# KiCad board rabbit_mask_video_edit.kicad_pcb (continued)
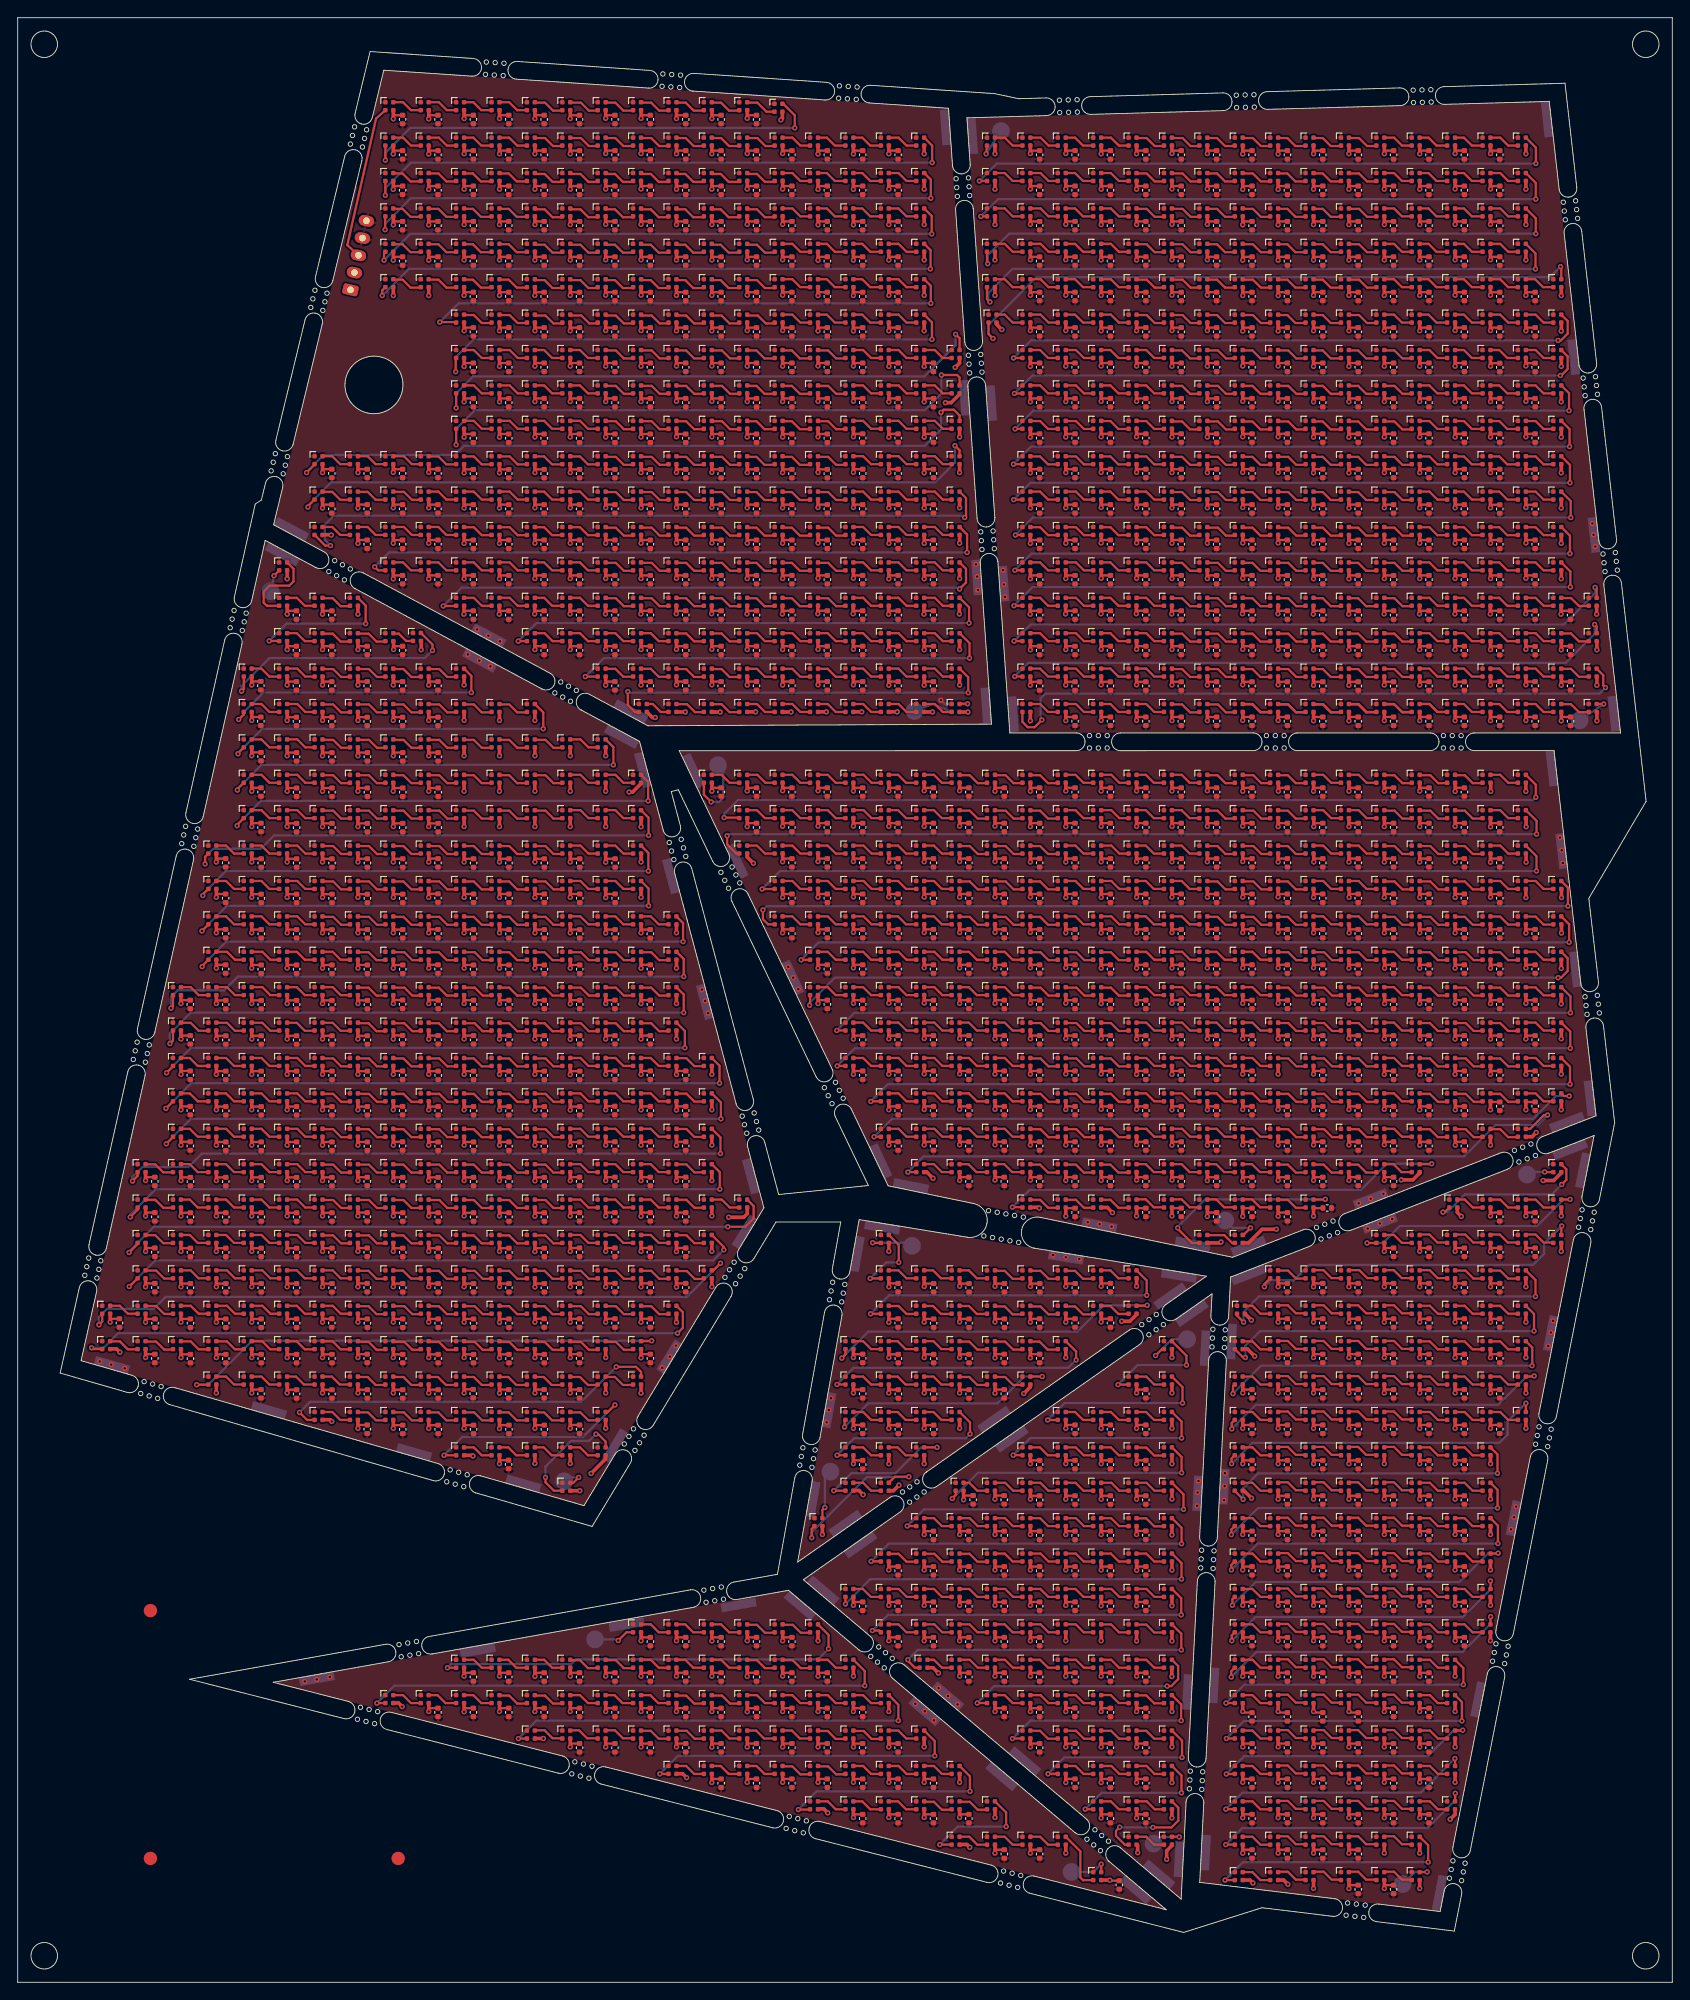
[diagram p0: board, top side]
## Routing (per net, layer and track width the routed paths; a pad name or vN(x,y) marks a point on that pad's centre or on a via; arc(x,y) is an arc through that point) (continued)
Net-(D1036-DOUT): length 3.5
  Top w0.25: 65.6,87.55 64.5,87.55 63.6,88.45 62.5,88.45
Net-(D1037-DOUT): length 3.5
  Top w0.25: D1037.3 67.55,88.45 68.45,87.55 D1038.1
Net-(D1038-DOUT): length 3.5
  Top w0.25: D1039.1 72.45,87.55 71.55,88.45 D1038.3
Net-(D1039-DOUT): length 3.5
  Top w0.25: 74.47,88.43 75.58,88.43 76.47,87.53 77.58,87.53
Net-(D1040-DOUT): length 3.5
  Top w0.25: 81.58,87.55 80.47,87.55 79.58,88.45 78.47,88.45
Net-(D1041-DOUT): length 76.1
  Top w0.25: D1055.1 13.55,83.43 v1(12.6,82.47) ; D1041.3 83.17,87.72 83.17,86.32 82.23,85.38 v1(80.25,85.38)
  Bottom w0.25: v1(12.6,82.47) 12.6,82.6 15.38,85.38 v1(80.25,85.38)
Net-(D1042-DOUT): length 3.5
  Top w0.25: 114.45,88.43 115.55,88.43 116.45,87.53 117.55,87.53
Net-(D1043-DOUT): length 3.5
  Top w0.25: 121.6,87.53 120.5,87.53 119.6,88.43 118.5,88.43
Net-(D1044-DOUT): length 3.5
  Top w0.25: 122.4,88.43 123.5,88.43 124.4,87.53 125.5,87.53
Net-(D1045-DOUT): length 3.5
  Top w0.25: 126.4,88.47 127.5,88.47 128.4,87.57 129.5,87.57
Net-(D1046-DOUT): length 3.5
  Top w0.25: 130.45,88.47 131.55,88.47 132.45,87.57 133.55,87.57
Net-(D1047-DOUT): length 3.5
  Top w0.25: 137.45,87.57 136.35,87.57 135.45,88.47 134.35,88.47
Net-(D1048-DOUT): length 3.5
  Top w0.25: 141.5,87.57 140.4,87.57 139.5,88.47 138.4,88.47
Net-(D1049-DOUT): length 3.5
  Top w0.25: 142.45,88.43 143.55,88.43 144.45,87.53 145.55,87.53
Net-(D1050-DOUT): length 22.7
  Top w0.25: D1050.3 147.76,88.45 v1(147.79,88.48) ; D1073.1 132.7,83.55 131.1,85.15 v1(131.1,85.25)
  Bottom w0.25: v1(147.79,88.48) 134.21,88.48 131.1,85.38 v1(131.1,85.25)
Net-(D1051-DOUT): length 3.2
  Top w0.25: D1052.1 164.45,87.55 163.55,88.45 D1051.3
Net-(D1052-DOUT): length 3.5
  Top w0.25: D1053.1 168.45,87.55 167.55,88.45 D1052.3
Net-(D1053-DOUT): length 3.5
  Top w0.25: D1054.1 172.45,87.55 171.55,88.45 D1053.3
Net-(D1054-DOUT): length 27.1
  Top w0.25: D1054.3 175.43,88.45 v1(175.45,88.47) ; D1075.1 153.54,83.54 v1(152.5,83.54)
  Bottom w0.25: v1(175.45,88.47) 174.73,88.47 171.72,85.46 156.21,85.46 154.29,83.54 v1(152.5,83.54)
Net-(D1055-DOUT): length 3.5
  Top w0.25: 17.55,83.53 16.45,83.53 15.55,84.43 14.45,84.43
Net-(D1056-DOUT): length 3.5
  Top w0.25: 21.45,83.55 20.35,83.55 19.45,84.45 18.35,84.45
Net-(D1057-DOUT): length 3.5
  Top w0.25: D1057.3 23.55,84.45 24.45,83.55 D1058.1
Net-(D1058-DOUT): length 3.5
  Top w0.25: D1058.3 27.55,84.45 28.45,83.55 D1059.1
Net-(D1059-DOUT): length 3.5
  Top w0.25: 33.6,83.55 32.5,83.55 31.6,84.45 30.5,84.45
Net-(D1060-DOUT): length 3.5
  Top w0.25: 37.65,83.5 36.55,83.5 35.65,84.4 34.55,84.4
Net-(D1061-DOUT): length 3.5
  Top w0.25: 41.7,83.5 40.6,83.5 39.7,84.4 38.6,84.4
Net-(D1062-DOUT): length 3.5
  Top w0.25: 45.6,83.5 44.5,83.5 43.6,84.4 42.5,84.4
Net-(D1063-DOUT): length 3.5
  Top w0.25: 46.55,84.4 47.65,84.4 48.55,83.5 49.65,83.5
Net-(D1064-DOUT): length 3.5
  Top w0.25: 50.45,84.4 51.55,84.4 52.45,83.5 53.55,83.5
Net-(D1065-DOUT): length 3.5
  Top w0.25: 54.45,84.4 55.55,84.4 56.45,83.5 57.55,83.5
Net-(D1066-DOUT): length 3.5
  Top w0.25: 58.55,84.4 59.65,84.4 60.55,83.5 61.65,83.5
Net-(D1067-DOUT): length 3.5
  Top w0.25: 65.6,83.55 64.5,83.55 63.6,84.45 62.5,84.45
Net-(D1068-DOUT): length 3.5
  Top w0.25: D1069.1 68.45,83.55 67.55,84.45 D1068.3
Net-(D1069-DOUT): length 3.5
  Top w0.25: D1070.1 72.45,83.55 71.55,84.45 D1069.3
Net-(D1070-DOUT): length 3.5
  Top w0.25: 77.58,83.53 76.47,83.53 75.58,84.43 74.47,84.43
Net-(D1071-DOUT): length 72.5
  Top w0.25: D1071.3 79.8,83.1 v1(79.8,82.78) ; v1(12.6,78.62) 12.62,78.62 D1081.1
  Bottom w0.25: v1(12.6,78.62) 15.55,81.57 78.6,81.57 v1(79.8,82.78)
Net-(D1072-DOUT): length 8.7
  Top w0.25: D1098.1 97.54,79.54 v1(96.35,79.54) ; v1(99.58,81.35) 99.58,83.32 D1072.3
  Bottom w0.25: v1(96.35,79.54) 98.16,81.35 v1(99.58,81.35)
Net-(D1073-DOUT): length 3.5
  Top w0.25: 134.45,84.43 136.38,84.43 137.28,83.53 137.55,83.53
Net-(D1075-DOUT): length 3.5
  Top w0.25: D1075.3 155.55,84.45 156.45,83.55 D1076.1
Net-(D1076-DOUT): length 3.5
  Top w0.25: 161.55,83.6 160.45,83.6 159.55,84.5 158.45,84.5
Net-(D1077-DOUT): length 3.5
  Top w0.25: 165.6,83.6 164.5,83.6 163.6,84.5 162.5,84.5
Net-(D1078-DOUT): length 3.5
  Top w0.25: 166.4,84.5 167.5,84.5 168.4,83.6 169.5,83.6
Net-(D1079-DOUT): length 3.5
  Top w0.25: 170.45,84.5 171.55,84.5 172.45,83.6 173.55,83.6
Net-(D1080-DOUT): length 39.4
  Top w0.25: v1(174.5,85.46) 174.45,85.41 D1080.3 ; D1106.1 140.89,78.89 v1(140.89,78.59)
  Bottom w0.25: v1(140.89,78.59) 141.62,79.32 144.22,79.32 145.98,81.08 171.28,81.08 172.51,82.31 172.51,83.47 v1(174.5,85.46)
Net-(D1081-DOUT): length 3.5
  Top w0.25: 14.55,80.43 15.65,80.43 16.55,79.53 17.65,79.53
Net-(D1082-DOUT): length 3.5
  Top w0.25: D1083.1 20.45,79.55 19.55,80.45 D1082.3
Net-(D1083-DOUT): length 3.5
  Top w0.25: 22.55,80.45 23.65,80.45 24.55,79.55 25.65,79.55
Net-(D1084-DOUT): length 3.5
  Top w0.25: 29.65,79.55 28.55,79.55 27.65,80.45 26.55,80.45
Net-(D1085-DOUT): length 3.5
  Top w0.25: D1085.3 31.55,80.45 32.45,79.55 D1086.1
Net-(D1086-DOUT): length 3.5
  Top w0.25: 34.5,80.45 35.6,80.45 36.5,79.55 37.6,79.55
Net-(D1087-DOUT): length 3.5
  Top w0.25: 38.55,80.4 39.65,80.4 40.55,79.5 41.65,79.5
Net-(D1088-DOUT): length 3.5
  Top w0.25: 42.45,80.43 43.55,80.43 44.45,79.53 45.55,79.53
Net-(D1089-DOUT): length 3.5
  Top w0.25: 46.5,80.4 47.6,80.4 48.5,79.5 49.6,79.5
Net-(D1090-DOUT): length 3.5
  Top w0.25: 53.65,79.5 52.55,79.5 51.65,80.4 50.55,80.4
Net-(D1091-DOUT): length 3.5
  Top w0.25: 57.55,79.5 56.45,79.5 55.55,80.4 54.45,80.4
Net-(D1092-DOUT): length 3.5
  Top w0.25: 58.45,80.4 59.55,80.4 60.45,79.5 61.55,79.5
Net-(D1093-DOUT): length 3.5
  Top w0.25: 62.55,80.4 63.65,80.4 64.55,79.5 65.65,79.5
Net-(D1094-DOUT): length 3.5
  Top w0.25: 69.6,79.5 68.5,79.5 67.6,80.4 66.5,80.4
Net-(D1095-DOUT): length 3.5
  Top w0.25: 70.5,80.4 71.6,80.4 72.5,79.5 73.6,79.5
Net-(D1096-DOUT): length 3.5
  Top w0.25: 74.53,80.38 75.62,80.38 76.53,79.47 77.62,79.47
Net-(D1097-DOUT): length 76.4
  Top w0.25: v1(79.42,81.25) 78.62,80.45 D1097.3 ; D1114.1 9.55,74.68 v1(9.17,74.3)
  Bottom w0.25: v1(79.42,81.25) 75.62,77.45 16.73,77.45 15.38,76.1 10.1,76.1 9.17,75.18 v1(9.17,74.3)
Net-(D1098-DOUT): length 3.5
  Top w0.25: D1098.3 99.55,80.45 100.45,79.55 D1099.1
Net-(D1099-DOUT): length 3.5
  Top w0.25: 102.35,80.45 103.45,80.45 104.35,79.55 105.45,79.55
Net-(D1100-DOUT): length 3.5
  Top w0.25: 106.4,80.45 107.5,80.45 108.4,79.55 109.5,79.55
Net-(D1101-DOUT): length 3.5
  Top w0.25: 110.45,80.4 111.55,80.4 112.45,79.5 113.55,79.5
Net-(D1102-DOUT): length 3.5
  Top w0.25: 117.6,79.5 116.5,79.5 115.6,80.4 114.5,80.4
Net-(D1103-DOUT): length 3.5
  Top w0.25: 121.5,79.5 120.4,79.5 119.5,80.4 118.4,80.4
Net-(D1104-DOUT): length 3.5
  Top w0.25: 125.5,79.55 124.4,79.55 123.5,80.45 122.4,80.45
Net-(D1105-DOUT): length 36.5
  Top w0.25: D1105.3 127.6,79.3 v1(127.6,77.63) ; v1(96.39,75.54) 97.54,75.54 D1131.1
  Bottom w0.25: v1(127.6,77.63) 98.48,77.63 v1(96.39,75.54)
Net-(D1106-DOUT): length 3.5
  Top w0.25: 142.47,80.43 143.57,80.43 144.47,79.53 145.57,79.53
Net-(D1107-DOUT): length 3.5
  Top w0.25: 149.57,79.57 148.47,79.57 147.57,80.47 146.47,80.47
Net-(D1108-DOUT): length 3.5
  Top w0.25: 153.62,79.57 152.53,79.57 151.62,80.47 150.53,80.47
Net-(D1109-DOUT): length 3.5
  Top w0.25: 157.53,79.57 156.43,79.57 155.53,80.47 154.43,80.47
Net-(D1110-DOUT): length 3.5
  Top w0.25: 161.57,79.57 160.47,79.57 159.57,80.47 158.47,80.47
Net-(D1111-DOUT): length 3.5
  Top w0.25: 162.53,80.43 163.62,80.43 164.53,79.53 165.62,79.53
Net-(D1112-DOUT): length 3.5
  Top w0.25: 169.55,79.53 168.45,79.53 167.55,80.43 166.45,80.43
Net-(D1113-DOUT): length 39.5
  Top w0.25: D1113.3 171.54,79.36 v1(171.54,77.5) ; v1(138.55,74.6) 137.8,75.35 D1139.1
  Bottom w0.25: v1(138.55,74.6) 138.55,75.77 140.28,77.5 v1(171.54,77.5)
Net-(D1114-DOUT): length 3.5
  Top w0.25: D1114.3 11.55,76.45 12.45,75.55 D1115.1
Net-(D1115-DOUT): length 3.5
  Top w0.25: 17.65,75.53 16.55,75.53 15.65,76.43 14.55,76.43
Net-(D1116-DOUT): length 3.5
  Top w0.25: D1116.3 19.55,76.45 20.45,75.55 D1117.1
Net-(D1117-DOUT): length 3.5
  Top w0.25: 22.55,76.45 23.65,76.45 24.55,75.55 25.65,75.55
Net-(D1118-DOUT): length 3.5
  Top w0.25: 29.65,75.55 28.55,75.55 27.65,76.45 26.55,76.45
Net-(D1119-DOUT): length 3.5
  Top w0.25: D1120.1 32.45,75.55 31.55,76.45 D1119.3
Net-(D1120-DOUT): length 3.5
  Top w0.25: 34.5,76.45 35.6,76.45 36.5,75.55 37.6,75.55
Net-(D1121-DOUT): length 3.5
  Top w0.25: 41.65,75.5 40.55,75.5 39.65,76.4 38.55,76.4
Net-(D1122-DOUT): length 3.5
  Top w0.25: 45.7,75.5 44.6,75.5 43.7,76.4 42.6,76.4
Net-(D1123-DOUT): length 3.5
  Top w0.25: 46.5,76.4 47.6,76.4 48.5,75.5 49.6,75.5
Net-(D1124-DOUT): length 3.5
  Top w0.25: 53.65,75.5 52.55,75.5 51.65,76.4 50.55,76.4
Net-(D1125-DOUT): length 3.5
  Top w0.25: 54.45,76.4 55.55,76.4 56.45,75.5 57.55,75.5
Net-(D1126-DOUT): length 3.5
  Top w0.25: 58.45,76.4 59.55,76.4 60.45,75.5 61.55,75.5
Net-(D1127-DOUT): length 3.5
  Top w0.25: 65.65,75.5 64.55,75.5 63.65,76.4 62.55,76.4
Net-(D1128-DOUT): length 3.5
  Top w0.25: 66.5,76.4 67.6,76.4 68.5,75.5 69.6,75.5
Net-(D1129-DOUT): length 3.5
  Top w0.25: 70.5,76.4 71.6,76.4 72.5,75.5 73.6,75.5
Net-(D1130-DOUT): length 71.8
  Top w0.25: D1148.1 8.5,71.55 v1(8.35,71.7) ; D1130.3 75.17,75.72 75.17,73.95 v1(74.58,73.35)
  Bottom w0.25: v1(8.35,71.7) 9.7,71.7 11.35,73.35 v1(74.58,73.35)
Net-(D1131-DOUT): length 3.5
  Top w0.25: 101.55,75.53 100.45,75.53 99.55,76.43 98.45,76.43
Net-(D1132-DOUT): length 3.5
  Top w0.25: 105.45,75.53 104.35,75.53 103.45,76.43 102.35,76.43
Net-(D1133-DOUT): length 3.5
  Top w0.25: 109.5,75.53 108.4,75.53 107.5,76.43 106.4,76.43
Net-(D1134-DOUT): length 3.5
  Top w0.25: 113.55,75.47 112.45,75.47 111.55,76.38 110.45,76.38
Net-(D1135-DOUT): length 3.5
  Top w0.25: 117.6,75.47 116.5,75.47 115.6,76.38 114.5,76.38
Net-(D1136-DOUT): length 3.5
  Top w0.25: 118.4,76.38 119.5,76.38 120.4,75.47 121.5,75.47
Net-(D1137-DOUT): length 3.5
  Top w0.25: 122.4,76.43 123.5,76.43 124.4,75.53 125.5,75.53
Net-(D1138-DOUT): length 39.4
  Top w0.25: v1(127.65,76.5) 127.6,76.45 D1138.3 ; D1164.1 93.55,70.98 93.5,70.93 93.5,70.89 v1(93.14,70.53)
  Bottom w0.25: v1(93.14,70.53) 96.14,73.53 119.77,73.53 122.74,76.5 v1(127.65,76.5)
Net-(D1139-DOUT): length 3.2
  Top w0.25: D1140.1 140.45,75.55 139.55,76.45 D1139.3
Net-(D1140-DOUT): length 3.5
  Top w0.25: 142.45,76.5 143.55,76.5 144.45,75.6 145.55,75.6
Net-(D1141-DOUT): length 3.5
  Top w0.25: 149.6,75.6 148.5,75.6 147.6,76.5 146.5,76.5
Net-(D1142-DOUT): length 3.5
  Top w0.25: 153.5,75.6 152.4,75.6 151.5,76.5 150.4,76.5
Net-(D1143-DOUT): length 3.5
  Top w0.25: 157.55,75.6 156.45,75.6 155.55,76.5 154.45,76.5
Net-(D1144-DOUT): length 3.5
  Top w0.25: 161.6,75.55 160.5,75.55 159.6,76.45 158.5,76.45
Net-(D1145-DOUT): length 3.5
  Top w0.25: 162.43,76.45 163.53,76.45 164.43,75.55 165.53,75.55
Net-(D1146-DOUT): length 3.5
  Top w0.25: D1146.3 167.55,76.45 168.45,75.55 D1147.1
Net-(D1147-DOUT): length 39.5
  Top w0.25: D1172.1 138.5,70.6 v1(138.75,70.6) ; v1(171.37,73.59) 171.37,75.53 D1147.3
  Bottom w0.25: v1(138.75,70.6) 138.75,71.93 140.41,73.59 v1(171.37,73.59)
Net-(D1148-DOUT): length 3.5
  Top w0.25: 13.55,71.53 12.45,71.53 11.55,72.43 10.45,72.43
Net-(D1149-DOUT): length 3.5
  Top w0.25: 17.65,71.5 16.55,71.5 15.65,72.4 14.55,72.4
Net-(D1150-DOUT): length 3.5
  Top w0.25: 18.45,72.43 19.55,72.43 20.45,71.53 21.55,71.53
Net-(D1151-DOUT): length 3.5
  Top w0.25: 25.65,71.53 24.55,71.53 23.65,72.43 22.55,72.43
Net-(D1152-DOUT): length 3.5
  Top w0.25: 26.55,72.43 27.65,72.43 28.55,71.53 29.65,71.53
Net-(D1153-DOUT): length 3.5
  Top w0.25: 30.45,72.43 31.55,72.43 32.45,71.53 33.55,71.53
Net-(D1154-DOUT): length 3.5
  Top w0.25: 34.5,72.43 35.6,72.43 36.5,71.53 37.6,71.53
Net-(D1155-DOUT): length 3.5
  Top w0.25: 38.55,72.38 39.65,72.38 40.55,71.47 41.65,71.47
Net-(D1156-DOUT): length 3.5
  Top w0.25: 45.7,71.47 44.6,71.47 43.7,72.38 42.6,72.38
Net-(D1157-DOUT): length 3.5
  Top w0.25: 49.6,71.47 48.5,71.47 47.6,72.38 46.5,72.38
Net-(D1158-DOUT): length 3.5
  Top w0.25: 53.65,71.47 52.55,71.47 51.65,72.38 50.55,72.38
Net-(D1159-DOUT): length 3.5
  Top w0.25: 57.55,71.47 56.45,71.47 55.55,72.38 54.45,72.38
Net-(D1160-DOUT): length 3.5
  Top w0.25: 58.45,72.38 59.55,72.38 60.45,71.47 61.55,71.47
Net-(D1161-DOUT): length 3.5
  Top w0.25: 62.55,72.38 63.65,72.38 64.55,71.47 65.65,71.47
Net-(D1162-DOUT): length 3.5
  Top w0.25: 69.6,71.47 68.5,71.47 67.6,72.38 66.5,72.38
Net-(D1163-DOUT): length 56
  Top w0.25: D1163.3 71.6,72.45 v1(71.65,72.5) ; D1181.1 21.52,67.53 v1(20.23,67.53)
  Bottom w0.25: v1(71.65,72.5) 26.5,72.5 21.52,67.53 v1(20.23,67.53)
Net-(D1164-DOUT): length 3.5
  Top w0.25: D1164.3 95.55,72.45 96.45,71.55 D1165.1
Net-(D1165-DOUT): length 3.5
  Top w0.25: 101.45,71.55 100.35,71.55 99.45,72.45 98.35,72.45
Net-(D1166-DOUT): length 3.5
  Top w0.25: 105.5,71.55 104.4,71.55 103.5,72.45 102.4,72.45
Net-(D1167-DOUT): length 3.5
  Top w0.25: 109.55,71.5 108.45,71.5 107.55,72.4 106.45,72.4
Net-(D1168-DOUT): length 3.5
  Top w0.25: 110.5,72.4 111.6,72.4 112.5,71.5 113.6,71.5
Net-(D1169-DOUT): length 3.5
  Top w0.25: 114.4,72.4 115.5,72.4 116.4,71.5 117.5,71.5
Net-(D1170-DOUT): length 31.7
  Top w0.25: D1170.3 119.62,71.28 v1(119.62,70.33) ; D1194.1 93.54,67.56 v1(92.59,67.56)
  Bottom w0.25: v1(119.62,70.33) 118.73,69.44 94.47,69.44 v1(92.59,67.56)
Net-(D1171-DOUT): length 13.2
  Top w0.25: v1(132.09,69.75) 132.09,70.8 130.45,72.44 D1171.3 ; D1200.1 125.54,67.54 v1(124.36,67.54)
  Bottom w0.25: v1(132.09,69.75) 126.57,69.75 v1(124.36,67.54)
Net-(D1172-DOUT): length 3.5
  Top w0.25: 141.55,71.53 140.45,71.53 139.55,72.43 138.45,72.43
Net-(D1173-DOUT): length 3.5
  Top w0.25: 142.45,72.47 143.55,72.47 144.45,71.57 145.55,71.57
Net-(D1174-DOUT): length 3.5
  Top w0.25: 149.6,71.57 148.5,71.57 147.6,72.47 146.5,72.47
Net-(D1175-DOUT): length 3.5
  Top w0.25: 150.4,72.47 151.5,72.47 152.4,71.57 153.5,71.57
Net-(D1176-DOUT): length 3.5
  Top w0.25: 157.55,71.57 156.45,71.57 155.55,72.47 154.45,72.47
Net-(D1177-DOUT): length 3.5
  Top w0.25: 158.5,72.43 159.6,72.43 160.5,71.53 161.6,71.53
Net-(D1178-DOUT): length 3.5
  Top w0.25: 165.53,71.53 164.43,71.53 163.53,72.43 162.43,72.43
Net-(D1179-DOUT): length 3.5
  Top w0.25: 166.45,72.43 167.55,72.43 168.45,71.53 169.55,71.53
Net-(D1180-DOUT): length 39.3
  Top w0.25: D1202.1 137.35,67.35 v1(137.35,66.52) ; D1180.3 171.18,71.72 171.18,69.71 v1(171.15,69.68)
  Bottom w0.25: v1(171.15,69.68) 140.5,69.68 137.35,66.53 v1(137.35,66.52)
Net-(D1181-DOUT): length 3.5
  Top w0.25: D1182.1 24.45,67.55 23.55,68.45 D1181.3
Net-(D1182-DOUT): length 3.5
  Top w0.25: D1183.1 28.45,67.55 27.55,68.45 D1182.3
Net-(D1183-DOUT): length 3.5
  Top w0.25: 33.45,67.55 32.35,67.55 31.45,68.45 30.35,68.45
Net-(D1184-DOUT): length 3.5
  Top w0.25: 34.4,68.45 35.5,68.45 36.4,67.55 37.5,67.55
Net-(D1185-DOUT): length 3.5
  Top w0.25: 41.55,67.5 40.45,67.5 39.55,68.4 38.45,68.4
Net-(D1186-DOUT): length 3.5
  Top w0.25: 45.6,67.5 44.5,67.5 43.6,68.4 42.5,68.4
Net-(D1187-DOUT): length 3.5
  Top w0.25: 46.4,68.4 47.5,68.4 48.4,67.5 49.5,67.5
Net-(D1188-DOUT): length 3.5
  Top w0.25: 50.45,68.4 51.55,68.4 52.45,67.5 53.55,67.5
Net-(D1189-DOUT): length 3.5
  Top w0.25: 54.35,68.4 55.45,68.4 56.35,67.5 57.45,67.5
Net-(D1190-DOUT): length 3.5
  Top w0.25: 61.45,67.5 60.35,67.5 59.45,68.4 58.35,68.4
Net-(D1191-DOUT): length 3.5
  Top w0.25: 62.45,68.4 63.55,68.4 64.45,67.5 65.55,67.5
Net-(D1192-DOUT): length 3.5
  Top w0.25: 69.5,67.5 68.4,67.5 67.5,68.4 66.4,68.4
Net-(D1193-DOUT): length 43.5
  Top w0.25: D1193.3 70.45,68.97 69.88,69.55 v1(67.65,69.55) ; D1211.1 32.7,63.55 v1(31.85,64.4)
  Bottom w0.25: v1(67.65,69.55) 63.7,65.6 33.05,65.6 v1(31.85,64.4)
Net-(D1194-DOUT): length 3.5
  Top w0.25: D1195.1 96.45,67.55 95.55,68.45 D1194.3
Net-(D1195-DOUT): length 3.5
  Top w0.25: 98.35,68.45 99.45,68.45 100.35,67.55 101.45,67.55
Net-(D1196-DOUT): length 3.5
  Top w0.25: 105.5,67.55 104.4,67.55 103.5,68.45 102.4,68.45
Net-(D1197-DOUT): length 3.5
  Top w0.25: 106.45,68.4 107.55,68.4 108.45,67.5 109.55,67.5
Net-(D1198-DOUT): length 3.5
  Top w0.25: 110.5,68.4 111.6,68.4 112.5,67.5 113.6,67.5
Net-(D1199-DOUT): length 26.9
  Top w0.25: v1(115.79,68.46) 115.78,68.45 D1199.3 ; D1220.1 93.45,63.45 v1(93.45,62.75)
  Bottom w0.25: v1(115.79,68.46) 113.76,68.46 110.72,65.42 96.12,65.42 v1(93.45,62.75)
Net-(D1200-DOUT): length 3.5
  Top w0.25: D1201.1 128.45,67.55 127.55,68.45 D1200.3
Net-(D1201-DOUT): length 20.7
  Top w0.25: v1(131.64,65.46) 131.64,67.26 D1201.3 ; v1(116.4,63.54) 117.54,63.54 D1224.1
  Bottom w0.25: v1(131.64,65.46) 118.32,65.46 v1(116.4,63.54)
Net-(D1202-DOUT): length 3.5
  Top w0.25: D1202.3 139.55,68.45 140.45,67.55 D1203.1
Net-(D1203-DOUT): length 3.5
  Top w0.25: 142.45,68.5 143.55,68.5 144.45,67.6 145.55,67.6
Net-(D1204-DOUT): length 3.5
  Top w0.25: 146.5,68.5 147.6,68.5 148.5,67.6 149.6,67.6
Net-(D1205-DOUT): length 3.5
  Top w0.25: 153.5,67.6 152.4,67.6 151.5,68.5 150.4,68.5
Net-(D1206-DOUT): length 3.5
  Top w0.25: 157.55,67.6 156.45,67.6 155.55,68.5 154.45,68.5
Net-(D1207-DOUT): length 3.5
  Top w0.25: 161.6,67.55 160.5,67.55 159.6,68.45 158.5,68.45
Net-(D1208-DOUT): length 3.5
  Top w0.25: 162.43,68.45 163.53,68.45 164.43,67.55 165.53,67.55
Net-(D1209-DOUT): length 3.5
  Top w0.25: D1209.3 167.55,68.45 168.45,67.55 D1210.1
Net-(D1210-DOUT): length 38.8
  Top w0.25: v1(137.21,62.54) 137.21,63.21 D1228.1 ; D1210.3 171.32,68.45 v1(171.39,68.52)
  Bottom w0.25: v1(137.21,62.54) 139.93,65.26 167.33,65.26 170.59,68.52 v1(171.39,68.52)
Net-(D1211-DOUT): length 3.5
  Top w0.25: D1212.1 36.45,63.55 35.55,64.45 D1211.3
Net-(D1212-DOUT): length 3.5
  Top w0.25: 38.5,64.4 39.6,64.4 40.5,63.5 41.6,63.5
Net-(D1213-DOUT): length 3.5
  Top w0.25: 45.65,63.5 44.55,63.5 43.65,64.4 42.55,64.4
Net-(D1214-DOUT): length 3.5
  Top w0.25: 46.45,64.4 47.55,64.4 48.45,63.5 49.55,63.5
Net-(D1215-DOUT): length 3.5
  Top w0.25: 53.6,63.5 52.5,63.5 51.6,64.4 50.5,64.4
Net-(D1216-DOUT): length 3.5
  Top w0.25: 57.5,63.5 56.4,63.5 55.5,64.4 54.4,64.4
Net-(D1217-DOUT): length 3.5
  Top w0.25: 58.4,64.4 59.5,64.4 60.4,63.5 61.5,63.5
Net-(D1218-DOUT): length 3.5
  Top w0.25: 62.5,64.4 63.6,64.4 64.5,63.5 65.6,63.5
Net-(D1219-DOUT): length 24.4
  Top w0.25: D1219.3 66.7,64.45 v1(67.5,65.25) ; v1(48.17,59.55) D1237.1
  Bottom w0.25: v1(67.5,65.25) 63.88,61.62 50.25,61.62 v1(48.17,59.55)
Net-(D1220-DOUT): length 3.5
  Top w0.25: D1220.3 95.55,64.45 96.45,63.55 D1221.1
Net-(D1221-DOUT): length 3.5
  Top w0.25: 98.35,64.45 99.45,64.45 100.35,63.55 101.45,63.55
Net-(D1222-DOUT): length 3.5
  Top w0.25: 102.4,64.45 103.5,64.45 104.4,63.55 105.5,63.55
Net-(D1223-DOUT): length 19.9
  Top w0.25: D1242.1 93.54,59.56 v1(92.61,59.56) ; v1(107.63,61.96) 107.63,63.27 D1223.3
  Bottom w0.25: v1(92.61,59.56) 94.53,61.48 107.15,61.48 v1(107.63,61.96)
Net-(D1224-DOUT): length 3.5
  Top w0.25: 118.4,64.45 119.5,64.45 120.4,63.55 121.5,63.55
Net-(D1225-DOUT): length 3.5
  Top w0.25: D1226.1 124.45,63.55 123.55,64.45 D1225.3
Net-(D1226-DOUT): length 3.5
  Top w0.25: 129.53,63.55 128.43,63.55 127.53,64.45 126.43,64.45
Net-(D1227-DOUT): length 24.3
  Top w0.25: v1(131.54,61.5) 131.54,63.36 D1227.3 ; v1(112.51,59.57) 113.53,59.57 D1245.1
  Bottom w0.25: v1(131.54,61.5) 114.44,61.5 v1(112.51,59.57)
Net-(D1228-DOUT): length 3.5
  Top w0.25: D1228.3 139.55,64.45 140.45,63.55 D1229.1
Net-(D1229-DOUT): length 3.5
  Top w0.25: 145.55,63.6 144.45,63.6 143.55,64.5 142.45,64.5
Net-(D1230-DOUT): length 3.5
  Top w0.25: 149.6,63.6 148.5,63.6 147.6,64.5 146.5,64.5
Net-(D1231-DOUT): length 3.5
  Top w0.25: 150.4,64.5 151.5,64.5 152.4,63.6 153.5,63.6
Net-(D1232-DOUT): length 3.5
  Top w0.25: 154.45,64.5 155.55,64.5 156.45,63.6 157.55,63.6
Net-(D1233-DOUT): length 3.5
  Top w0.25: 161.6,63.55 160.5,63.55 159.6,64.45 158.5,64.45
Net-(D1234-DOUT): length 3.5
  Top w0.25: 162.43,64.45 163.53,64.45 164.43,63.55 165.53,63.55
Net-(D1235-DOUT): length 3.5
  Top w0.25: D1236.1 168.45,63.55 167.55,64.45 D1235.3
Net-(D1236-DOUT): length 39
  Top w0.25: v1(137.19,58.6) 137.19,59.19 D1250.1 ; D1236.3 v1(170.45,65.43)
  Bottom w0.25: v1(170.45,65.43) 168.38,63.36 168.38,61.89 167.44,60.95 139.54,60.95 v1(137.19,58.6)
Net-(D1237-DOUT): length 3.5
  Top w0.25: D1237.3 51.55,60.45 52.45,59.55 D1238.1
Net-(D1238-DOUT): length 3.5
  Top w0.25: 57.45,59.55 56.35,59.55 55.45,60.45 54.35,60.45
Net-(D1239-DOUT): length 3.5
  Top w0.25: 61.45,59.55 60.35,59.55 59.45,60.45 58.35,60.45
Net-(D1240-DOUT): length 3.5
  Top w0.25: D1241.1 64.45,59.55 63.55,60.45 D1240.3
Net-(D1241-DOUT): length 13.4
  Top w0.25: D1241.3 66.45,61.1 65.6,61.95 v1(65.35,61.95) ; v1(59.65,57.05) 59.65,56.5 60.6,55.55 D1258.1
  Bottom w0.25: v1(59.65,57.05) 59.65,58.28 62.55,61.18 64.58,61.18 v1(65.35,61.95)
Net-(D1242-DOUT): length 3.5
  Top w0.25: D1243.1 96.45,59.55 95.55,60.45 D1242.3
Net-(D1243-DOUT): length 3.5
  Top w0.25: 101.45,59.55 100.35,59.55 99.45,60.45 98.35,60.45
Net-(D1244-DOUT): length 16.5
  Top w0.25: D1244.3 v1(103.91,60.45) ; v1(92.23,55.55) D1259.1
  Bottom w0.25: v1(103.91,60.45) 102.12,60.45 99.2,57.53 94.21,57.53 v1(92.23,55.55)
Net-(D1245-DOUT): length 3.5
  Top w0.25: 114.43,60.45 115.53,60.45 116.43,59.55 117.53,59.55
Net-(D1246-DOUT): length 3.5
  Top w0.25: 121.57,59.55 120.47,59.55 119.57,60.45 118.47,60.45
Net-(D1247-DOUT): length 3.5
  Top w0.25: D1248.1 124.45,59.55 123.55,60.45 D1247.3
Net-(D1248-DOUT): length 3.5
  Top w0.25: 126.45,60.43 127.55,60.43 128.45,59.53 129.55,59.53
Net-(D1249-DOUT): length 31.5
  Top w0.25: v1(131.54,57.58) 131.54,59.36 D1249.3 ; D1261.1 106,55.05 v1(105.62,54.68)
  Bottom w0.25: v1(131.54,57.58) 108.53,57.58 v1(105.62,54.68)
Net-(D1250-DOUT): length 3.5
  Top w0.25: D1250.3 139.55,60.45 140.45,59.55 D1251.1
Net-(D1251-DOUT): length 3.5
  Top w0.25: 145.55,59.6 144.45,59.6 143.55,60.5 142.45,60.5
Net-(D1252-DOUT): length 3.5
  Top w0.25: 146.5,60.5 147.6,60.5 148.5,59.6 149.6,59.6
Net-(D1253-DOUT): length 3.5
  Top w0.25: 150.4,60.5 151.5,60.5 152.4,59.6 153.5,59.6
Net-(D1254-DOUT): length 3.5
  Top w0.25: 154.45,60.5 155.55,60.5 156.45,59.6 157.55,59.6
Net-(D1255-DOUT): length 3.5
  Top w0.25: 158.5,60.45 159.6,60.45 160.5,59.55 161.6,59.55
Net-(D1256-DOUT): length 3.5
  Top w0.25: 165.53,59.55 164.43,59.55 163.53,60.45 162.43,60.45
Net-(D1257-DOUT): length 35.3
  Top w0.25: D1268.1 137.55,55.52 v1(138.5,54.57) ; v1(167.24,57.51) 167.24,59.66 D1257.3
  Bottom w0.25: v1(167.24,57.51) 140.18,57.51 138.5,55.83 v1(138.5,54.57)
Net-(D1259-DOUT): length 3.5
  Top w0.25: D1259.3 95.55,56.45 96.45,55.55 D1260.1
Net-(D1260-DOUT): length 18.2
  Top w0.25: v1(100.72,57.13) 99.13,57.13 D1260.3 ; v1(89.74,50.24) 89.74,51.24 D1276.1
  Bottom w0.25: v1(100.72,57.13) 100.67,57.08 95.95,57.08 89.74,50.87 v1(89.74,50.24)
Net-(D1261-DOUT): length 3
  Top w0.25: D1261.3 107.55,56.45 108.45,55.55 D1262.1
Net-(D1262-DOUT): length 3.5
  Top w0.25: 110.5,56.45 111.6,56.45 112.5,55.55 113.6,55.55
Net-(D1263-DOUT): length 3.5